# KiCad board EKO_Miner_BM1366-13xx_16-01B.kicad_pcb (continued)
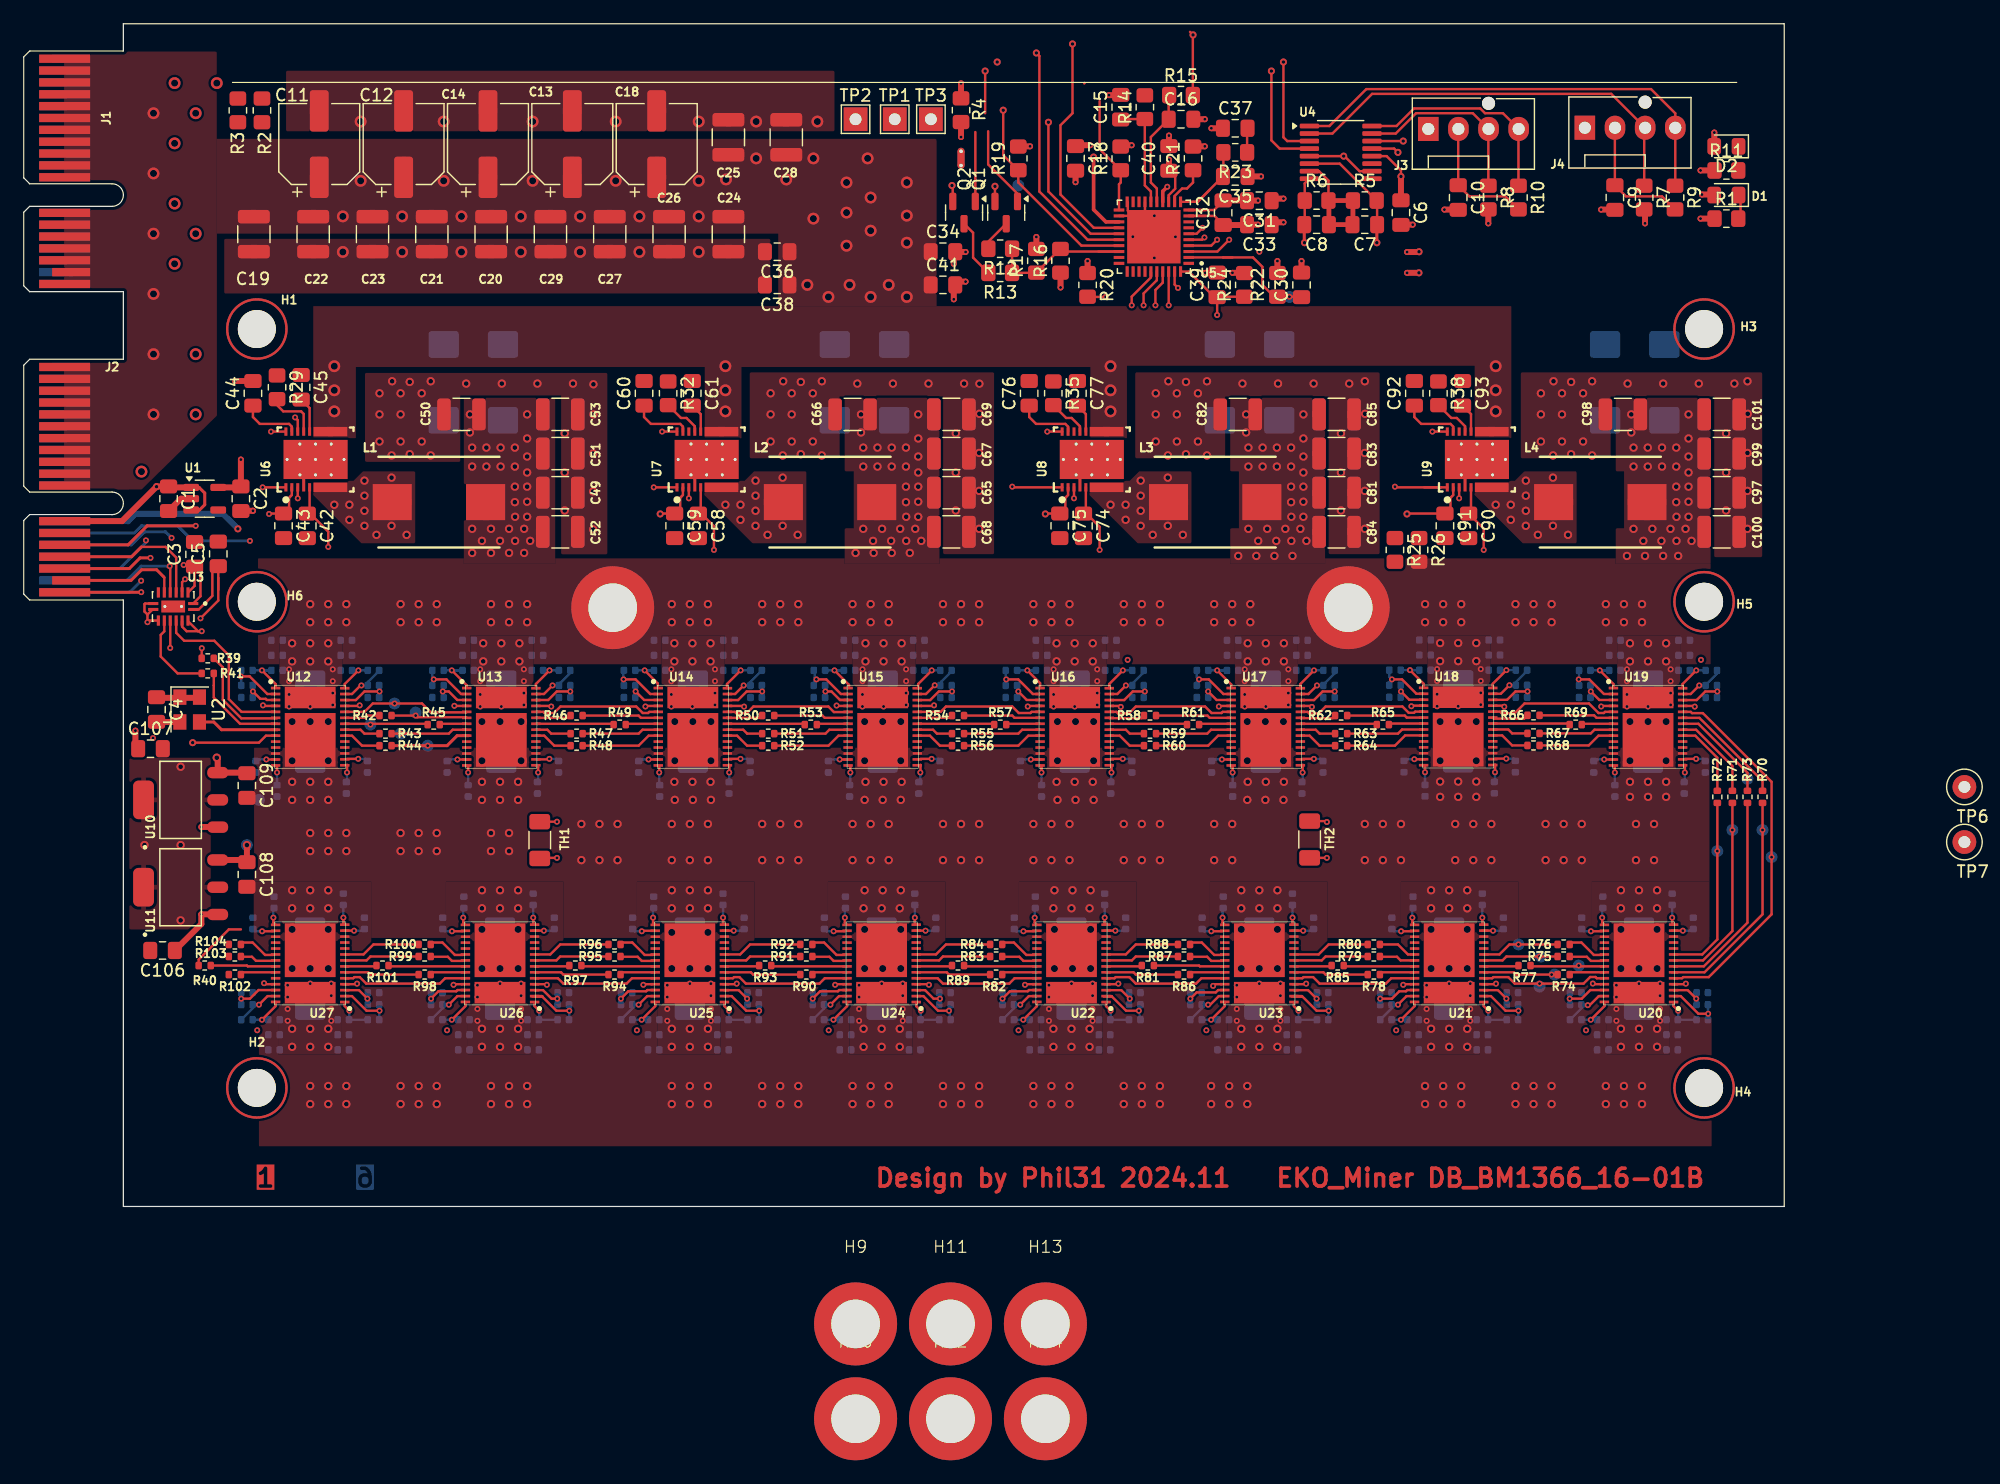
[diagram p0: board, top side]
## Routing (per net, layer and track width the routed paths; a pad name or vN(x,y) marks a point on that pad's centre or on a via; arc(x,y) is an arc through that point) (continued)
/ASICs/ASICs_BM1366_1/RSTO2: length 10.8
  Top w0.2: 53.45,41.71 52.73,41.71 52.64,41.62 52.18,41.62 51.63,42.16 45.25,42.16 44.7,41.61 43.89,41.61 43.79,41.71 U13.24
/ASICs/ASICs_BM1366_1/RSTO3: length 10.7
  Top w0.2: 69.55,41.7 68.29,41.7 67.83,42.16 61.51,42.16 60.95,41.61 60.05,41.61 59.95,41.71 59.29,41.71
/ASICs/ASICs_BM1366_1/RSTO4: length 10.7
  Top w0.2: U16.5 84.96,41.71 84.86,41.62 83.88,41.62 83.33,42.16 77.74,42.16 77.29,41.71 75.4,41.71
/ASICs/ASICs_BM1366_1/RSTO5: length 10.8
  Top w0.2: U17.5 101.07,41.71 100.97,41.62 100.13,41.62 99.59,42.16 93.74,42.16 93.16,41.58 92.25,41.58 92.12,41.71 U16.24
/ASICs/ASICs_BM1366_1/RSTO6: length 10.9
  Top w0.2: U18.5 117.3,41.73 117.2,41.64 116.75,41.64 116.22,42.16 109.75,42.16 109.16,41.58 108.36,41.58 108.23,41.71 U17.24
/ASICs/ASICs_BM1366_1/RSTO7: length 10.9
  Top w0.2: U18.24 124.45,41.73 124.58,41.6 125.69,41.6 126.51,42.42 131.95,42.42 132.75,41.62 133.2,41.62 133.3,41.71 U19.5
/ASICs/ASICs_BM1366_2/BM1366-7/RI: length 5.5
  Top w0.2: R40.2 18.81,20.32 18.88,20.25 21.23,20.25
/ASICs/ASICs_BM1366_2/BO1: length 6.3
  Top w0.2: R74.2 v3(128.8,19.56) 125.81,19.56 125.61,19.75 U21.6
/ASICs/ASICs_BM1366_2/BO2: length 6.3
  Top w0.2: R78.2 109.75,19.56 109.56,19.75 U23.6
/ASICs/ASICs_BM1366_2/BO3: length 6.1
  Top w0.2: U22.6 93.55,19.75 93.74,19.56 R86.2
/ASICs/ASICs_BM1366_2/BO4: length 6.3
  Top w0.2: R82.2 78,19.56 77.81,19.75 U24.6
/ASICs/ASICs_BM1366_2/BO5: length 6.5
  Top w0.2: U25.6 61.3,19.75 61.49,19.56 R90.2
/ASICs/ASICs_BM1366_2/BO6: length 6.3
  Top w0.2: R94.2 45.48,19.56 45.29,19.75 U26.6
/ASICs/ASICs_BM1366_2/BO7: length 6.3
  Top w0.2: U27.6 29.04,19.75 29.23,19.56 R98.2
/ASICs/ASICs_BM1366_2/CLKO1: length 6.4
  Top w0.2: R75.2 v3(127.78,21.08) 124.99,21.08 124.66,20.75 U21.8
/ASICs/ASICs_BM1366_2/CLKO2: length 6.4
  Top w0.2: R79.2 109.75,21.08 109.42,20.75 U23.8
/ASICs/ASICs_BM1366_2/CLKO3: length 6.2
  Top w0.2: R87.2 93.74,21.08 93.41,20.75 U22.8
/ASICs/ASICs_BM1366_2/CLKO4: length 6.4
  Top w0.2: U24.8 77.16,20.75 77.49,21.08 R83.2
/ASICs/ASICs_BM1366_2/CLKO5: length 6.5
  Top w0.2: U25.8 60.9,20.75 61.23,21.08 R91.2
/ASICs/ASICs_BM1366_2/CLKO6: length 6.4
  Top w0.2: U26.8 44.9,20.75 45.23,21.08 R95.2
/ASICs/ASICs_BM1366_2/CLKO7: length 6.4
  Top w0.2: R99.2 29.23,21.08 28.9,20.75 U27.8
/ASICs/ASICs_BM1366_2/CO1: length 6.6
  Top w0.2: R76.2 v3(126,22.1) 125.24,22.1 124.4,21.25 U21.9
/ASICs/ASICs_BM1366_2/CO2: length 6.6
  Top w0.2: U23.9 109.16,21.25 110,22.1 R80.2
/ASICs/ASICs_BM1366_2/CO3: length 6.4
  Top w0.2: U22.9 92.9,21.25 93.74,22.1 R88.2
/ASICs/ASICs_BM1366_2/CO4: length 6.6
  Top w0.2: R84.2 77.74,22.1 76.9,21.25 U24.9
/ASICs/ASICs_BM1366_2/CO5: length 6.7
  Top w0.2: U25.9 60.39,21.25 61.23,22.1 R92.2
/ASICs/ASICs_BM1366_2/CO6: length 6.6
  Top w0.2: R96.2 45.23,22.1 44.39,21.25 U26.9
/ASICs/ASICs_BM1366_2/CO7: length 6.6
  Top w0.2: U27.9 28.64,21.25 29.48,22.1 R100.2
/ASICs/ASICs_BM1366_2/RI1: length 6.3
  Top w0.2: 133.25,20.25 131.15,20.25 v3(131.08,20.32) 131.01,20.25 127.09,20.25 R77.2
/ASICs/ASICs_BM1366_2/RI02: length 6
  Top w0.2: 117.24,20.25 111.34,20.25 R85.2
/ASICs/ASICs_BM1366_2/RI3: length 6
  Top w0.2: R81.2 99.08,20.32 99.15,20.25 101.24,20.25
/ASICs/ASICs_BM1366_2/RI4: length 6.2
  Top w0.2: 85.41,20.25 79.34,20.25 R89.2
/ASICs/ASICs_BM1366_2/RI5: length 6.4
  Top w0.2: R93.2 63.08,20.25 69.4,20.25
/ASICs/ASICs_BM1366_2/RI6: length 6.3
  Top w0.2: R97.2 47.08,20.25 53.24,20.25
/ASICs/ASICs_BM1366_2/RI7: length 6.5
  Top w0.2: R101.2 30.82,20.25 37.23,20.25
/ASICs/ASICs_BM1366_2/RSTO1: length 10.7
  Top w0.2: U21.5 123.79,19.25 123.88,19.34 125.14,19.34 125.69,18.8 v3(127.78,18.8) 131.49,18.8 132.04,19.35 132.5,19.35 132.6,19.25 U20.24
/ASICs/ASICs_BM1366_2/RSTO2: length 10.6
  Top w0.2: U21.24 115.28,19.25 114.83,18.8 109.24,18.8 108.69,19.34 107.88,19.34 107.78,19.25 U23.5
/ASICs/ASICs_BM1366_2/RSTO3: length 10.5
  Top w0.2: U23.24 99.28,19.25 98.82,18.8 93.74,18.8 93.2,19.34 92.05,19.34 91.95,19.25 U22.5
/ASICs/ASICs_BM1366_2/RSTO4: length 10.5
  Top w0.2: U22.24 83.53,19.25 83.08,18.8 77.49,18.8 77.04,19.25 U24.5
/ASICs/ASICs_BM1366_2/RSTO5: length 10.8
  Top w0.2: U25.5 59.78,19.25 59.87,19.34 60.33,19.34 60.88,18.8 67.07,18.8 67.53,19.25 U24.24
/ASICs/ASICs_BM1366_2/RSTO6: length 10.5
  Top w0.2: U25.24 51.27,19.25 50.82,18.8 45.48,18.8 45.03,19.25 U26.5
/ASICs/ASICs_BM1366_2/RSTO7: length 10.6
  Top w0.2: U27.5 27.77,19.25 27.87,19.34 28.33,19.34 28.87,18.8 35.07,18.8 35.52,19.25 U26.24
/ASICs/CLKI: length 6.8
  Top w0.25: 21.38,40.21 16.67,40.21 16.02,40.86 U2.3
/CI: length 18.5
  Top w0.2: 12.35,49.42 v3(12.35,47.1) ; 21.38,39.7 20.42,39.7 19.83,39.12 v4(14.24,39.12)
  In2.Cu w0.2: v3(12.35,47.1) 12.35,41.77 14.24,39.88 v4(14.24,39.12)
/DB_ALERTn_oc: length 125.2
  Top w0.2: v4(86.38,91.44) 86.38,85.6 89.94,82.04 U5.25
  Top w0.25: J2.B14 8.8,55.8 10.4,57.4 v3(14.5,57.4)
  Top w0.5: 79.01,91.19 v3(79.01,90.19)
  In2.Cu w0.2: v4(86.38,91.44) 83.08,91.44 81.81,90.17 24.66,90.17 22.92,88.43 22.92,72.16 18.96,68.2 18.96,61.87 v3(14.5,57.4)
/DB_RX: length 9.8
  Top w0.2: 11.8,53.11 11.85,53.05 U3.6
  Top w0.25: J2.B17 9.04,52.8 9.94,53.7 11.2,53.7 11.8,53.11
/DB_SCL: length 174.8
  Top w0.2: v4(88.41,98.04) 88.41,92.2 87.39,91.19 87.39,85.34 90.2,82.54 U5.24 ; U4.14 v4(116.29,89.85)
  In2.Cu w0.2: v3(10.3,56.18) 10.3,58.55 15.47,63.72 15.47,77.29 16.53,78.35 16.53,90.93 23.64,98.04 110.76,98.04 116.29,92.52 v4(116.29,89.85)
  Bottom w0.25: J2.A16 8.1,53.8 10.3,56.01 v3(10.3,56.18)
/DB_SDA: length 175.5
  Top w0.2: v4(85.36,97.28) 85.62,97.03 85.62,85.6 89.68,81.54 U5.26 ; v4(115.84,88.9) 115.52,89.22 U4.13
  Top w0.25: v3(10.69,54.7) 9.81,54.7 8.91,53.8 J2.B16
  In2.Cu w0.2: v4(115.84,88.9) 113.3,91.44 113.3,94.49 110.51,97.28 23.64,97.28 17.04,90.68 17.04,78.29 15.87,77.13 15.87,63.5 10.9,58.53 10.9,55.9 10.69,55.68 v3(10.69,54.7)
/DB_TX: length 11.6
  Top w0.2: v3(12.3,54) 12.35,53.95 U3.5
  Bottom w0.25: J2.A17 8.7,52.8 9.9,54 v3(12.3,54)
/EN_DRV: length 145
  Top w0.2: U8.3 v3(88.53,59.72) ; U6.3 v3(23.1,59.72) ; U7.3 v3(56.07,59.72) ; U9.3 v3(121,59.72)
  In2.Cu w0.2: v3(88.53,59.72) 86.06,59.72 85.52,59.18 85.52,57.15 ; 85.52,57.15 84.5,56.13 ; 85.52,57.15 82.77,54.4 61.95,54.4 ; v3(121,59.72) 118.53,59.72 ; 56.18,59.72 61.5,54.4 64.02,54.4 ; v3(19.07,56.13) 20.08,57.15 20.08,59.18 20.62,59.72 v3(23.1,59.72) 23.61,59.72 27.96,55.37 32.53,55.37 33.87,54.04 44.66,54.04 46.75,56.13 49.55,56.13 53.14,59.72 v3(56.07,59.72) ; 120.5,59.72 113.53,59.72 107.8,53.99 94.87,53.99 89.14,59.72 88.69,59.72
  Bottom w0.25: J2.A13 9.32,56.8 9.92,57.4 12.97,57.4 14.24,56.13 v3(19.07,56.13)
/FAN/FAN1_PWM: length 39.1
  Top w0.2: U4.1 110.06,91.12 113.18,94.23 137.18,94.23 139.22,92.19 J4.4 139.22,86.11 R9.1
/FAN/FAN1_TACH: length 35.8
  Top w0.2: R7.1 136.6,90.9 J4.3 133.82,93.84 113.66,93.84 110.32,90.49 U4.2
/FAN/FAN2_PWM: length 18.5
  Top w0.2: U4.16 115.72,91.12 117.2,92.6 122.78,92.6 123.18,92.2 124.69,92.2 J3.4 126,90.86 R10.1
/FAN/FAN2_TACH: length 15.9
  Top w0.2: R8.1 123.46,90.86 J3.3 122.15,92.2 117.37,92.2 115.65,90.49 U4.15
/ID0: length 154.3
  Top w0.2: Q1.1 83.77,85.41 81.3,87.88 81.3,90.68 ; U4.3 106.51,89.85 106.19,90.17 v4(106.19,96.52)
  In2.Cu w0.2: v4(106.19,96.52) v4(82.06,96.52) 23.89,96.52 17.54,90.17 17.54,78.23 16.27,76.96 16.27,63.25 11.3,58.27 11.3,54.18 v3(9.9,52.78)
  Bottom w0.25: J2.A18 8.92,51.8 v3(9.9,52.78)
/ID1: length 156.5
  Top w0.2: 81.03,95.75 v4(81.04,95.76) 81.04,92.2 ; v4(105.17,95.76) 105.17,89.92 105.87,89.22 U4.4 ; Q2.1 80.22,90.61
  Top w0.25: v3(9.91,51.81) 9.9,51.8 J2.B18
  In2.Cu w0.2: v3(9.91,51.81) 11.7,53.6 11.7,57.91 16.67,62.88 16.67,76.77 16.9,77 16.9,77.02 18.05,78.17 18.05,89.92 24.15,96.01 80.03,96.01 80.28,95.76 v4(105.17,95.76)
/PSU_160A/CSP1: length 46.6
  Top w0.2: v3(115.59,60.71) 115.64,60.65 119.5,60.65 ; U5.3 100.62,80.54 v3(101.62,81.53) ; U9.1 118.04,60.65
  In3.Cu w0.2: 115.59,72.9 110.51,77.98 ; 115.59,72.9 110,78.49 104.67,78.49 v3(101.62,81.53) ; 115.59,72.9 v3(115.59,60.71)
/PSU_160A/CSP2: length 41.2
  Top w0.2: U5.4 100.11,81.04 v3(100.6,81.53) ; v3(83.33,60.71) 83.39,60.65 U8.1
  In3.Cu w0.2: v3(100.6,81.53) 97.26,78.19 86.34,78.19 83.33,75.18 v3(83.33,60.71)
/PSU_160A/CSP3: length 64.2
  Top w0.2: U5.5 99.34,81.54 v3(99.53,81.72) ; U7.1 v3(53.11,60.65)
  In3.Cu w0.2: v3(99.53,81.72) 96.4,78.59 84.96,78.59 80.03,73.66 56.41,73.66 53.05,70.31 53.05,60.71 v3(53.11,60.65)
/PSU_160A/CSP4: length 96.1
  Top w0.2: v3(99.37,82.54) 98.87,82.04 U5.6 ; U6.1 v3(20.14,60.65)
  In3.Cu w0.2: v3(20.14,60.65) 20.08,60.71 20.08,68.18 26.83,74.93 80.03,74.93 84.09,78.99 95.52,78.99 99.07,82.54 v3(99.37,82.54)
/PSU_160A/FFCM: length 1.3
  Top w0.2: U6.10 23.1,66.33 v3(22.88,66.55)
/PSU_160A/PGOOD: length 43.9
  Top w0.2: U5.27 89.16,81.04 83.84,86.36 R19.1 82.57,88.66 v4(82.57,92.46)
  Top w0.5: 142.51,89.41 v3(142.51,90.57)
  In2.Cu w0.2: v4(82.57,92.46) 106.03,92.46 107.38,93.81
/PSU_160A/PWM1: length 32.2
  Top w0.2: v3(96.52,76) U5.38 ; U9.12 v3(118.75,65.35)
  In2.Cu w0.2: v3(96.52,76) 98.86,73.66 112.97,73.66 118.75,67.88 v3(118.75,65.35)
/PSU_160A/PWM2: length 21.1
  Top w0.2: U5.37 96.02,77.91 95.4,77.3 v3(95.4,76) ; U8.12 v3(86.28,65.35)
  In2.Cu w0.2: v3(86.28,65.35) 86.28,70.77 89.17,73.66 93.06,73.66 v3(95.4,76)
/PSU_160A/PWM3: length 51.6
  Top w0.2: U7.12 v3(53.81,65.35) ; v3(94.4,76) 94.4,77 95.52,78.12 U5.36
  In2.Cu w0.2: v3(94.4,76) 92.82,74.42 87.9,74.42 86.38,72.9 57.8,72.9 53.81,68.91 v3(53.81,65.35)
/PSU_160A/PWM4: length 83.2
  Top w0.2: v3(93.4,76) 93.4,76.74 95.02,78.35 U5.35 ; U6.12 v3(20.85,65.35)
  In2.Cu w0.2: v3(20.85,65.35) 20.85,67.88 27.14,74.17 86.12,74.17 87.14,75.18 92.58,75.18 v3(93.4,76)
/PSU_160A/TSEN: length 27.8
  Top w0.2: U5.40 98.21,78.85 100.37,76.69 C39.1 ; U8.11 88.03,65.77 87.8,66 85.34,66 84.76,66.58 C76.1 ; U6.11 22.6,65.77 22.37,66 19.9,66 19.32,66.58 C44.1 ; U9.11 120.5,65.77 120.27,66 117.8,66 117.22,66.58 C92.1 ; U7.11 55.57,65.77 55.34,66 52.87,66 52.29,66.58 C60.1 ; R24.1 100.64,76.72 C39.1 ; C39.1 v3(100.6,75.18)
/RO: length 7.2
  Top w0.2: R41.2 12.97,44.96 11.55,46.38 11.55,48.2 11.85,48.5 11.85,49.42
/RST_ASICn: length 13.1
  Top w0.2: 9.92,55.63 11.96,55.63 12.85,54.73 U3.4
  Top w0.25: 9.92,55.63 9.1,54.8 J2.B15
/RST_BUCKn: length 118.6
  Top w0.2: U5.21 92.33,86.21 92.47,86.36 R18.1 90.7,89.17 90.7,93.22
  In2.Cu w0.2: v3(12.46,56.39) 12.46,57.91 17.07,62.52 17.07,76.49 18.56,77.98 18.56,89.66 24.4,95.5 79.27,95.5
  Bottom w0.25: J2.A14 9.08,55.8 10.18,56.9 11.96,56.9 v3(12.46,56.39)
/RSTIn: length 14.3
  Top w0.2: U12.5 18.36,41.71 17.29,42.79 17.29,46.48 16.06,47.71 13.52,47.71 12.85,48.38 12.85,49.42
VPWR_ASIC: length 17.5
  Bottom w0.2: 56.33,17.06 57.05,17.06 57.05,16.69 ; 23.25,44.27 23.25,43.9 23.97,43.9 ; 72.3,43.9 71.58,43.9 71.58,44.27 ; 72.5,17.06 73.22,17.06 73.22,16.69 ; 25.05,16.69 25.05,17.06 24.33,17.06 ; 120.34,17.06 121.06,17.06 121.06,16.69 ; 39.36,44.27 39.36,43.9 40.08,43.9 ; 136.75,43.9 136.03,43.9 136.03,44.27 ; 88.41,43.9 87.69,43.9 87.69,44.27 ; 89.22,16.69 89.22,17.06 88.5,17.06 ; 41.05,16.69 41.05,17.06 40.33,17.06 ; 104.52,43.9 103.8,43.9 103.8,44.27 ; 120.02,44.29 120.02,43.92 120.74,43.92 ; 55.47,44.27 55.47,43.9 56.19,43.9 ; 105.06,16.69 105.06,17.06 104.34,17.06 ; 137.06,16.69 137.06,17.06 136.34,17.06
  vias: v1(22.62,47.5) v1(22.62,45.97) v1(22.62,14.99) v1(22.62,13.46) v1(24.15,50.8) v1(24.15,49.28) v1(24.15,47.5) v1(24.15,45.97) v1(24.15,14.99) v1(24.15,13.46) v1(24.15,10.16) v1(24.15,8.64) v1(25.67,50.8) v1(25.67,49.28) v1(25.67,47.5) v1(25.67,45.97) v1(25.67,14.99) v1(25.67,13.46) v1(25.67,10.16) v1(25.67,8.64) v1(27.2,50.8) v1(27.2,49.28) v1(27.2,10.16) v1(27.2,8.64) v1(31.77,50.8) v1(31.77,49.28) v1(31.77,10.16) v1(31.77,8.64) v1(33.29,50.8) v1(33.29,49.28) v1(33.29,10.16) v1(33.29,8.64) v1(34.82,50.8) v1(34.82,49.28) v1(34.82,10.16) v1(34.82,8.64) v1(37.61,66.8) v1(37.61,65.28) v1(37.8,64) v1(37.8,62.4) v1(37.8,57.15) v1(37.8,55.12) v1(38.63,56.13) v1(38.63,14.99) v1(38.63,13.46) v1(38.73,47.5) v1(38.73,45.97) v1(39,64) v1(39,62.4) v1(39.39,57.15) v1(39.39,55.12) v1(39.39,50.8) v1(39.39,49.28) v1(39.39,10.16) v1(39.39,8.64) v1(40.2,64) v1(40.2,62.4) v1(40.15,56.13) v1(40.15,14.99) v1(40.15,13.46) v1(40.26,47.5) v1(40.26,45.97) v1(40.91,57.15) v1(40.91,55.12) v1(40.91,50.8) v1(40.91,49.28) v1(40.91,10.16) v1(40.91,8.64) v1(41.4,64) v1(41.4,62.4) v1(41.4,60.71) v1(41.4,59.4) v1(41.42,58.17) v1(41.42,56.13) v1(41.67,14.99) v1(41.67,13.46) v1(41.78,47.5) v1(41.78,45.97) v1(42.18,57.15) v1(42.18,55.12) v1(42.44,66.8) v1(42.44,64.77) v1(42.44,63.25) v1(42.44,61.9) v1(42.44,60.71) v1(42.44,59.44) v1(42.44,58.17) v1(42.44,50.8) v1(42.44,49.28) v1(42.44,10.16) v1(42.44,8.64) v1(42.69,56.13) v1(54.63,50.8) v1(54.63,49.28) v1(54.63,14.99) v1(54.63,13.46) v1(54.63,10.16) v1(54.63,8.64) v1(54.85,47.5) v1(54.85,45.97) v1(56.15,50.8) v1(56.15,49.28) v1(56.15,14.99) v1(56.15,13.46) v1(56.15,10.16) v1(56.15,8.64) v1(56.37,47.5) v1(56.37,45.97) v1(57.68,50.8) v1(57.68,49.28) v1(57.68,14.99) v1(57.68,13.46) v1(57.68,10.16) v1(57.68,8.64) v1(57.89,47.5) v1(57.89,45.97) v1(62.25,50.8) v1(62.25,49.28) v1(62.25,10.16) v1(62.25,8.64) v1(63.77,50.8) v1(63.77,49.28) v1(63.77,10.16) v1(63.77,8.64) v1(65.3,50.8) v1(65.3,49.28) v1(65.3,10.16) v1(65.3,8.64) v1(69.87,50.8) v1(69.87,49.28) v1(69.87,10.16) v1(69.87,8.64) v1(70.12,55.12) v1(70.58,66.8) v1(70.58,65.28) v1(70.77,64) v1(70.77,62.4) v1(70.77,57.15) v1(70.8,14.99) v1(70.8,13.46) v1(70.96,47.5) v1(70.96,45.97) v1(71.39,50.8) v1(71.39,49.28) v1(71.39,10.16) v1(71.39,8.64) v1(71.59,56.13) v1(71.65,55.12) v1(71.97,64) v1(71.97,62.4) v1(72.36,57.15) v1(72.32,14.99) v1(72.32,13.46) v1(72.48,47.5) v1(72.48,45.97) v1(72.92,50.8) v1(72.92,49.28) v1(72.92,10.16) v1(72.92,8.64) v1(73.17,64) v1(73.17,62.4) v1(73.12,56.13) v1(73.17,55.12) v1(73.88,57.15) v1(73.84,14.99) v1(73.84,13.46) v1(74,47.5) v1(74,45.97) v1(74.37,64) v1(74.37,62.4) v1(74.37,60.71) v1(74.37,59.4) v1(74.39,58.17) v1(74.39,56.13) v1(74.69,55.12) v1(75.15,57.15) v1(75.4,66.8) v1(75.4,64.77) v1(75.4,63.25) v1(75.4,61.9) v1(75.4,60.71) v1(75.4,59.44) v1(75.4,58.17) v1(75.66,56.13) v1(77.49,50.8) v1(77.49,49.28) v1(77.49,10.16) v1(77.49,8.64) v1(79.01,50.8) v1(79.01,49.28) v1(79.01,10.16) v1(79.01,8.64) v1(80.54,50.8) v1(80.54,49.28) v1(80.54,10.16) v1(80.54,8.64) v1(85.11,50.8) v1(85.11,49.28) v1(85.11,10.16) v1(85.11,8.64) v1(86.63,50.8) v1(86.63,49.28) v1(86.63,10.16) v1(86.63,8.64) v1(86.8,14.99) v1(86.8,13.46) v1(87.07,47.5) v1(87.07,45.97) v1(88.16,50.8) v1(88.16,49.28) v1(88.16,10.16) v1(88.16,8.64) v1(88.32,14.99) v1(88.32,13.46) v1(88.59,47.5) v1(88.59,45.97) v1(89.85,14.99) v1(89.85,13.46) v1(90.12,47.5) v1(90.12,45.97) v1(92.73,50.8) v1(92.73,49.28) v1(92.73,10.16) v1(92.73,8.64) v1(94.25,50.8) v1(94.25,49.28) v1(94.25,10.16) v1(94.25,8.64) v1(95.78,50.8) v1(95.78,49.28) v1(95.78,10.16) v1(95.78,8.64) v1(100.09,10.16) v1(100.09,8.64) v1(100.35,50.8) v1(100.35,49.28) v1(101.62,10.16) v1(101.62,8.64) v1(101.87,50.8) v1(101.87,49.28) v1(102.38,54.86) v1(102.63,14.99) v1(102.63,13.46) v1(103.05,66.8) v1(103.05,65.28) v1(103.18,47.5) v1(103.18,45.97) v1(103.14,10.16) v1(103.14,8.64) v1(103.24,64) v1(103.24,62.4) v1(103.24,57.15) v1(103.4,50.8) v1(103.4,49.28) v1(103.9,54.86) v1(104.06,56.13) v1(104.16,14.99) v1(104.16,13.46) v1(104.44,64) v1(104.44,62.4) v1(104.7,47.5) v1(104.7,45.97) v1(104.82,57.15) v1(105.43,54.86) v1(105.59,56.13) v1(105.64,64) v1(105.64,62.4) v1(105.68,14.99) v1(105.68,13.46) v1(106.23,47.5) v1(106.23,45.97) v1(106.35,57.15) v1(106.84,64) v1(106.84,62.4) v1(106.84,60.71) v1(106.84,59.4) v1(106.86,58.17) v1(106.86,56.13) v1(106.95,54.86) v1(107.62,57.15) v1(107.87,66.8) v1(107.87,64.77) v1(107.87,63.25) v1(107.87,61.9) v1(107.87,60.71) v1(107.87,59.44) v1(107.87,58.17) v1(108.13,56.13) v1(118.13,50.8) v1(118.13,49.28) v1(118.13,10.16) v1(118.13,8.64) v1(118.64,14.99) v1(118.64,13.46) v1(119.4,47.52) v1(119.4,45.99) v1(119.65,50.8) v1(119.65,49.28) v1(119.65,10.16) v1(119.65,8.64) v1(120.16,14.99) v1(120.16,13.46) v1(120.92,47.52) v1(120.92,45.99) v1(121.18,50.8) v1(121.18,49.28) v1(121.18,10.16) v1(121.18,8.64) v1(121.68,14.99) v1(121.68,13.46) v1(122.45,47.52) v1(122.45,45.99) v1(125.75,50.8) v1(125.75,49.28) v1(125.75,10.16) v1(125.75,8.64) v1(127.27,50.8) v1(127.27,49.28) v1(127.27,10.16) v1(127.27,8.64) v1(128.8,50.8) v1(128.8,49.28) v1(128.8,10.16) v1(128.8,8.64) v1(133.37,50.8) v1(133.37,49.28) v1(133.37,10.16) v1(133.37,8.64) v1(134.64,14.99) v1(134.64,13.46) v1(134.89,50.8) v1(134.89,49.28) v1(134.89,10.16) v1(134.89,8.64) v1(135.15,54.86) v1(135.4,47.5) v1(135.4,45.97) v1(135.51,66.8) v1(135.51,65.28) v1(135.7,64) v1(135.7,62.4) v1(135.7,57.15) v1(136.16,14.99) v1(136.16,13.46) v1(136.42,50.8) v1(136.42,49.28) v1(136.42,10.16) v1(136.42,8.64) v1(136.53,56.13) v1(136.67,54.86) v1(136.9,64) v1(136.9,62.4) v1(136.92,47.5) v1(136.92,45.97) v1(137.29,57.15) v1(137.69,14.99) v1(137.69,13.46) v1(138.05,56.13) v1(138.1,64) v1(138.1,62.4) v1(138.19,54.86) v1(138.45,47.5) v1(138.45,45.97) v1(138.81,57.15) v1(139.3,64) v1(139.3,62.4) v1(139.3,60.71) v1(139.3,59.4) v1(139.32,58.17) v1(139.32,56.13) v1(139.46,54.86) v1(140.08,57.15) v1(140.34,66.8) v1(140.34,64.77) v1(140.34,63.25) v1(140.34,61.9) v1(140.34,60.71) v1(140.34,59.44) v1(140.34,58.17) v1(140.59,56.13) v3(22.25,18.66) v3(22.25,17.66) v3(22.25,16.66) v3(22.25,15.66) v3(22.37,45.3) v3(22.37,44.3) v3(22.37,43.18) v3(22.37,42.16) v3(24.15,42.16) v3(24.15,18.8) v3(25.93,18.8) v3(25.93,17.78) v3(25.93,16.66) v3(25.93,15.66) v3(26.05,45.3) v3(26.05,44.3) v3(26.05,43.3) v3(26.05,42.3) v3(38.25,18.66) v3(38.25,17.66) v3(38.25,16.66) v3(38.25,15.66) v3(38.48,45.3) v3(38.48,44.3) v3(38.48,43.18) v3(38.48,42.16) v3(40.15,18.8) v3(40.26,42.16) v3(41.93,18.8) v3(41.93,17.78) v3(41.93,16.66) v3(41.93,15.66) v3(42.16,45.3) v3(42.16,44.3) v3(42.16,43.3) v3(42.16,42.3) v3(54.25,18.66) v3(54.25,17.66) v3(54.25,16.66) v3(54.25,15.66) v3(54.59,45.3) v3(54.59,44.3) v3(54.59,43.18) v3(54.59,42.16) v3(56.15,18.8) v3(56.37,42.16) v3(57.93,18.8) v3(57.93,17.78) v3(57.93,16.66) v3(57.93,15.66) v3(58.27,45.3) v3(58.27,44.3) v3(58.27,43.3) v3(58.27,42.3) v3(70.42,18.66) v3(70.42,17.66) v3(70.42,16.66) v3(70.42,15.66) v3(70.7,45.3) v3(70.7,44.3) v3(70.7,43.18) v3(70.7,42.16) v3(72.32,18.8) v3(72.48,42.16) v3(74.1,18.8) v3(74.1,17.78) v3(74.1,16.66) v3(74.1,15.66) v3(74.38,45.3) v3(74.38,44.3) v3(74.38,43.3) v3(74.38,42.3) v3(86.42,18.66) v3(86.42,17.66) v3(86.42,16.66) v3(86.42,15.66) v3(86.81,45.3) v3(86.81,44.3) v3(86.81,43.18) v3(86.81,42.16) v3(88.32,18.8) v3(88.59,42.16) v3(90.1,18.8) v3(90.1,17.78) v3(90.1,16.66) v3(90.1,15.66) v3(90.49,45.3) v3(90.49,44.3) v3(90.49,43.3) v3(90.49,42.3) v3(102.26,18.66) v3(102.26,17.66) v3(102.26,16.66) v3(102.26,15.66) v3(102.92,45.3) v3(102.92,44.3) v3(102.92,43.18) v3(102.92,42.16) v3(104.16,18.8) v3(104.7,42.16) v3(105.94,18.8) v3(105.94,17.78) v3(105.94,16.66) v3(105.94,15.66) v3(106.6,45.3) v3(106.6,44.3) v3(106.6,43.3) v3(106.6,42.3) v3(118.26,18.66) v3(118.26,17.66) v3(118.26,16.66) v3(118.26,15.66) v3(119.14,45.32) v3(119.14,44.32) v3(119.14,43.2) v3(119.14,42.18) v3(120.16,18.8) v3(120.92,42.18) v3(121.94,18.8) v3(121.94,17.78) v3(121.94,16.66) v3(121.94,15.66) v3(122.82,45.32) v3(122.82,44.32) v3(122.82,43.32) v3(122.82,42.32) v3(134.26,18.66) v3(134.26,17.66) v3(134.26,16.66) v3(134.26,15.66) v3(135.15,45.3) v3(135.15,44.3) v3(135.15,43.18) v3(135.15,42.16) v3(136.16,18.8) v3(136.92,42.16) v3(137.94,18.8) v3(137.94,17.78) v3(137.94,16.66) v3(137.94,15.66) v3(138.83,45.3) v3(138.83,44.3) v3(138.83,43.3) v3(138.83,42.3)